# Altium PCB STM32-ROMI_Rev_A_Reworks.PcbDoc (part 2 of 2) (continued)
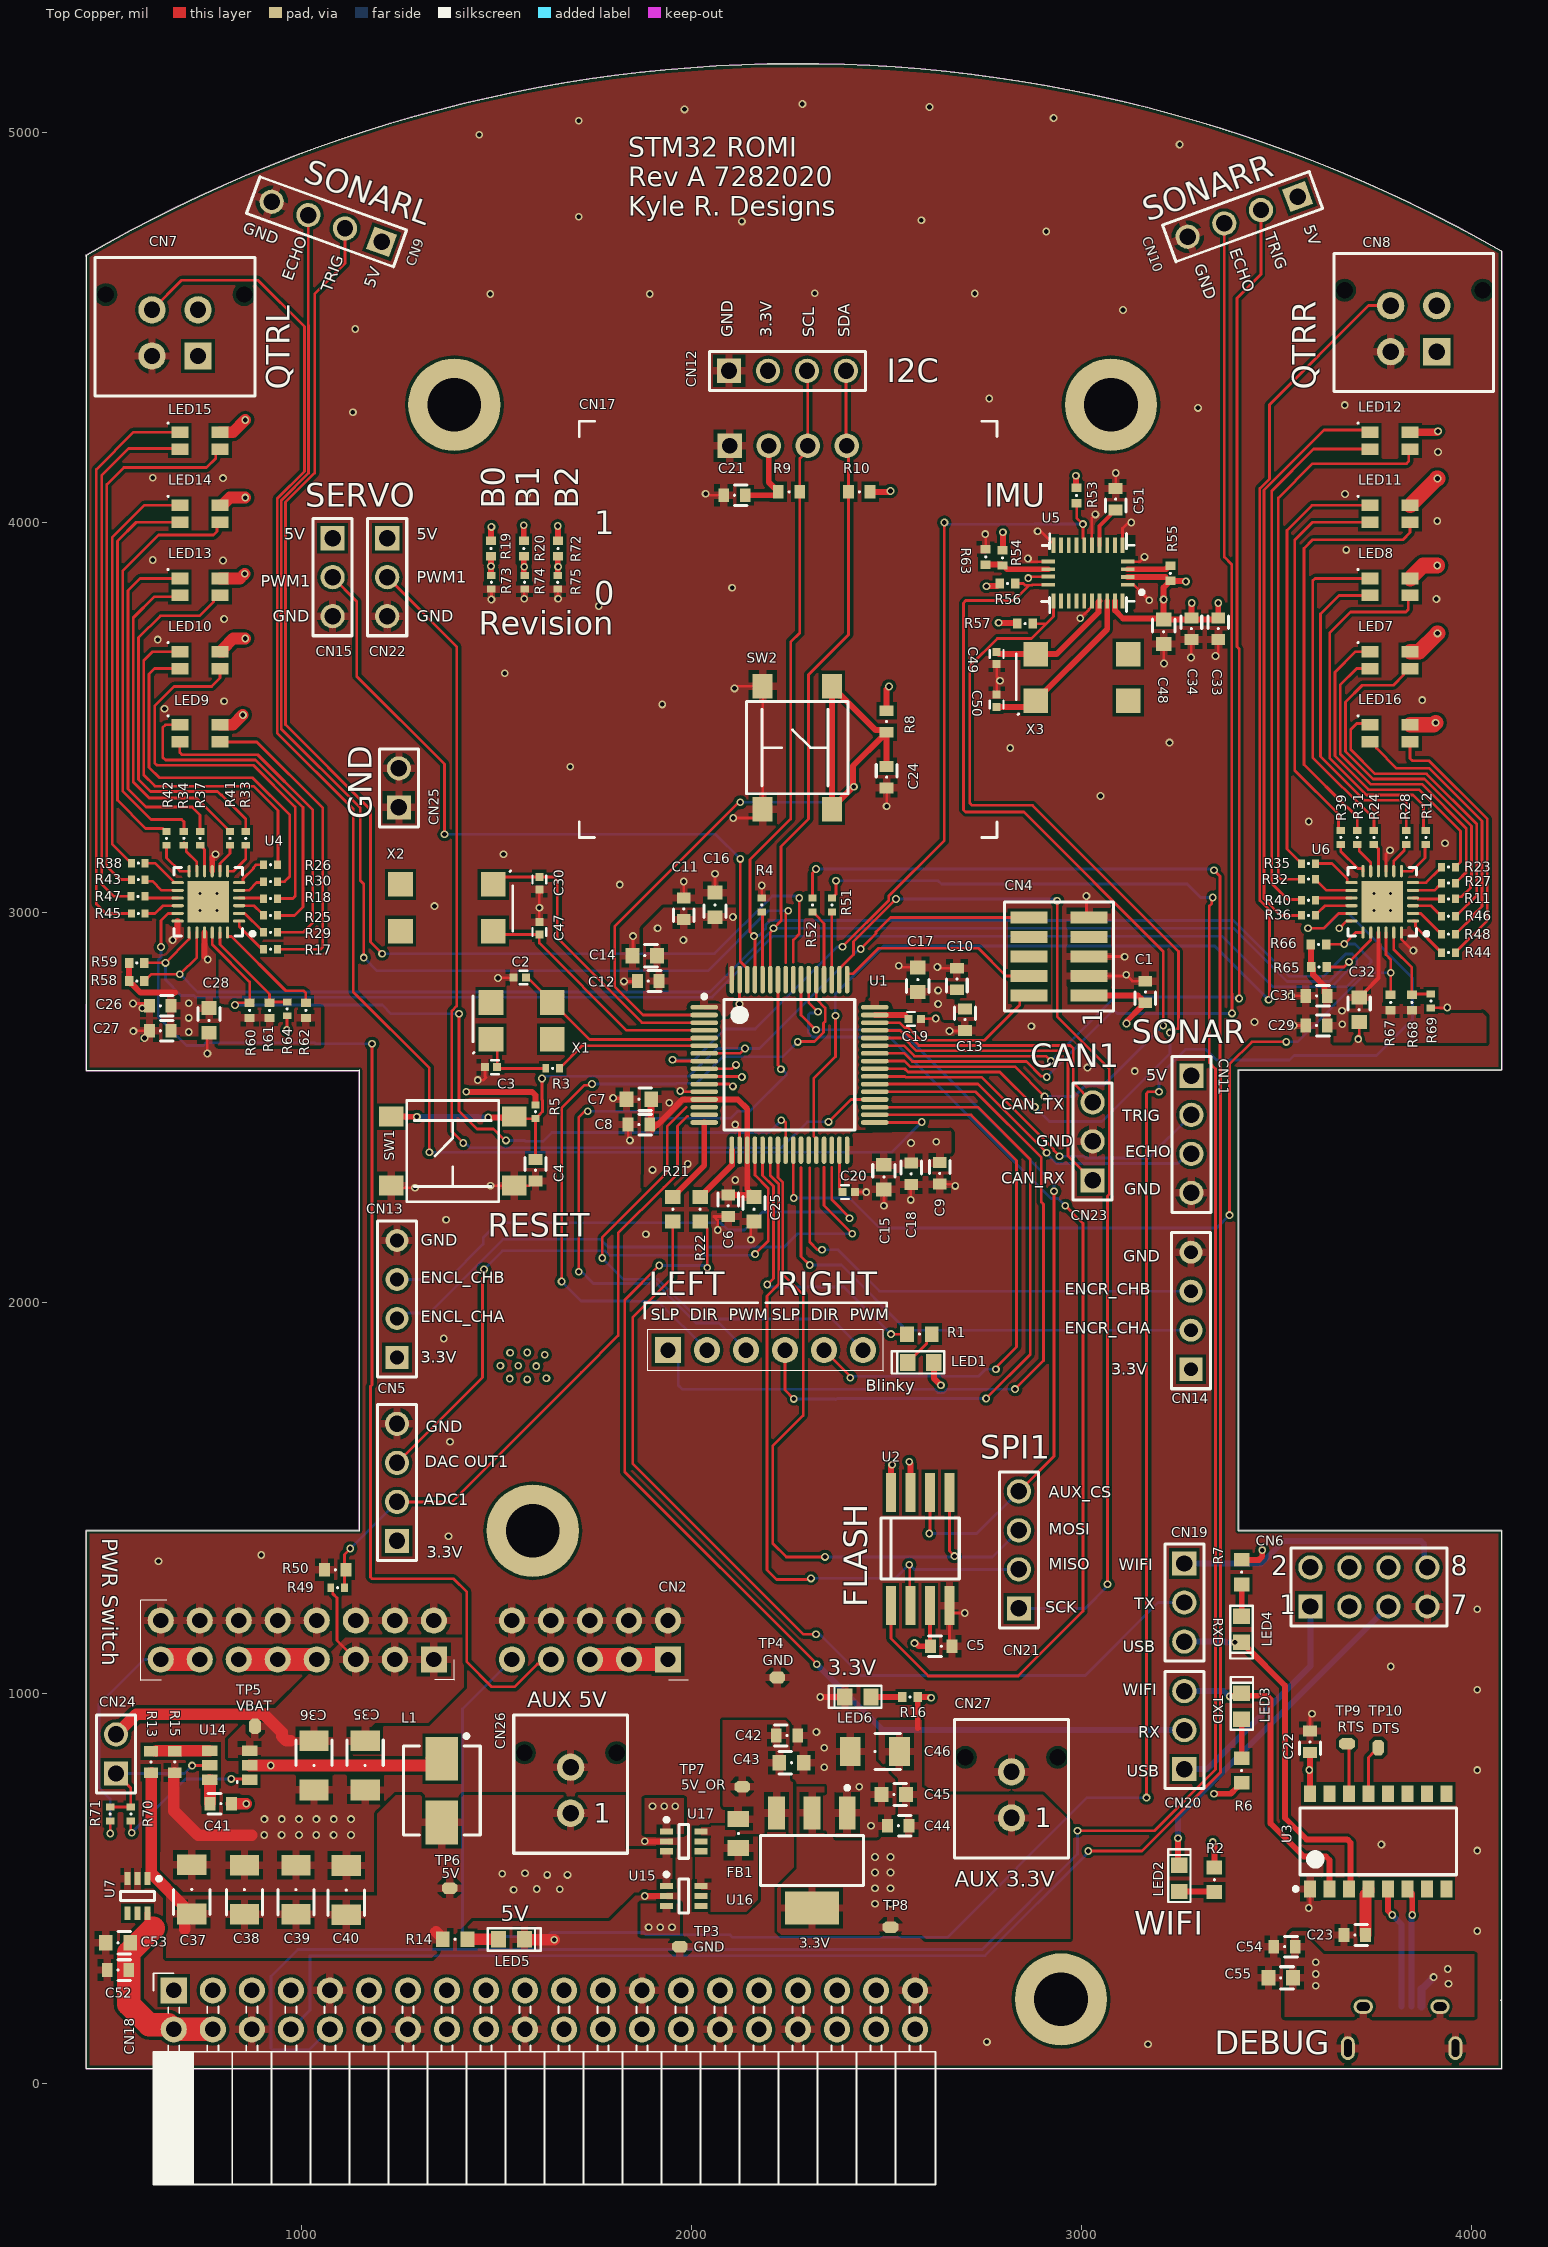
[diagram p0: Top Copper view]
## Nets (pads, with @x,y where several pads share a name; then routed paths per layer and width w, separated by ;. In a path a pad name is that pad's centre, name@x,y a point inside that pad or via, vN(x,y) a via of type N, cw(c..) or ccw(c..) an arc to the next point about the centre after c; other vN are vias at no path point) (continued)
NetLED10_4: LED10.4 R18.2 | length 1050.8
  Top Copper w7: LED10.4@791.57,3625.85 791.57,3601.57 770,3580 674,3580 624,3530 624,3383.86 629.86,3378 877,3378 984,3271 984,3042.26 978.14,3036.4 R18.2@938.72,3036.4
NetLED11_1: LED11.1 R35.2 | length 1109.7
  Top Copper w7: R35.2@3563.57,3126 3563.57,3127.97 3559.71,3131.83 3557.74,3131.83 3526,3163.57 3526,3980 3590.15,4044.15 LED11.1@3738.43,4044.15
NetLED11_3: LED11.3 R39.2 | length 1005.7
  Top Copper w7: R39.2@3664,3210.72 3662.03,3210.72 3658.17,3214.57 3658.17,3252.83 3546,3365 3546,3955 3591.85,4000.85 LED11.3@3738.43,4000.85
NetLED11_4: LED11.4 R31.2 | length 1095.8
  Top Copper w7: R31.2@3706.25,3210.72 3706.25,3245.75 3683,3269 3680.63,3269 3570,3379.63 3570,3934 3592,3956 3823,3956 3841.57,3974.57 LED11.4@3841.57,4000.85
NetLED12_1: LED12.1 R36.2 | length 1498.8
  Top Copper w7: R36.2@3563.57,2993 3510,2993 3467,3036 3467,4083 3621,4237 3733.08,4237 LED12.1@3738.43,4231.65
NetLED12_3: LED12.3 R40.2 | length 1396.3
  Top Copper w7: R40.2@3563.57,3032 3561.57,3034 3528,3034 3487,3075 3487,4081 3594.35,4188.35 LED12.3@3738.43,4188.35
NetLED12_4: LED12.4 R32.2 | length 1439
  Top Copper w7: R32.2@3563.57,3086 3509.86,3086 3504,3091.86 3504,4063 3592,4151 3832.14,4151 3838,4156.86 3838,4184.77 LED12.4@3841.57,4188.35
NetLED13_1: LED13.1 R37.2 | length 908.5
  Top Copper w7: LED13.1@688.43,3856.65 586.65,3856.65 555.5,3825.5 555.5,3317.59 602.09,3271 720,3271 740.36,3250.64 R37.2@740.36,3208.5
NetLED13_3: LED13.3 R41.2 | length 865.7
  Top Copper w7: LED13.3@688.43,3813.35 685.08,3810 623,3810 569,3756 569,3335 610,3294 731.5,3294 811.17,3214.32 811.17,3212.35 815.03,3208.5 R41.2@817,3208.5
NetLED13_4: LED13.4 R33.2 | length 969.9
  Top Copper w7: LED13.4@791.57,3813.35 784.68,3813.35 774.92,3803.58 774.92,3796.69 739.23,3761 638.5,3761 582.5,3705 582.5,3341.5 613,3311 784.5,3311 794,3301.5 795.79,3301.5 857.39,3239.9 R33.2@857.39,3208.5
NetLED14_1: LED14.1 R38.2 | length 1064
  Top Copper w7: R38.2@564.28,3127 564.28,3128.97 560.43,3132.83 558.46,3132.83 515,3176.28 515,3962 597.15,4044.15 LED14.1@688.43,4044.15
NetLED14_3: LED14.3 R42.2 | length 1002.9
  Top Copper w7: R42.2@654.36,3208.5 652.39,3208.5 644.88,3216 601,3216 528.5,3288.5 528.5,3952.5 576.85,4000.85 LED14.3@688.43,4000.85
NetLED14_4: LED14.4 R34.2 | length 1089.1
  Top Copper w7: R34.2@699,3208.5 699,3233.14 693.14,3239 615,3239 542,3312 542,3876 634,3968 775,3968 783.94,3976.94 783.94,3993.21 LED14.4@791.57,4000.85
NetLED15_1: LED15.1 R45.2 | length 1468
  Top Copper w7: R45.2@564.28,2998 509,2998 508.14,2997.14 499.86,2997.14 474.5,3022.5 474.5,4136.5 569.65,4231.65 LED15.1@688.43,4231.65
NetLED15_3: LED15.3 R47.2 | length 1365.5
  Top Copper w7: R47.2@563.57,3042 520,3042 488,3074 488,4121 557,4190 686.77,4190 LED15.3@688.43,4188.35
NetLED15_4: LED15.4 R43.2 | length 1391.6
  Top Copper w7: R43.2@564.28,3085 537.71,3085 533.71,3089 531,3089 501.5,3118.5 501.5,4097.5 545,4141 757,4141 780.44,4164.44 780.44,4178.58 790.2,4188.35 LED15.4@791.57,4188.35
NetLED16_1: LED16.1 R46.2 | length 770.9
  Top Copper w7: LED16.1@3738.43,3481.65 3735.08,3485 3705,3485 3689.5,3469.5 3689.5,3418.59 3752.09,3356 3884.09,3356 4012.5,3227.59 4012.5,3044.5 3964.83,2996.83 3961.57,2996.83 3957.72,2992.97 R46.2@3957.72,2991
NetLED16_3: LED16.3 R48.2 | length 695.3
  Top Copper w7: LED16.3@3738.43,3438.35 3745.31,3438.35 3755.08,3428.58 3755.08,3421.69 3806.77,3370 3891,3370 4026,3235 4026,3016 4003.5,2993.5 4003.5,2990.78 3963.54,2950.83 3961.57,2950.83 3957.72,2946.97 R48.2@3957.72,2945
NetLED16_4: LED16.4 R44.2 | length 682.6
  Top Copper w7: LED16.4@3841.57,3438.35 3841.57,3395.36 3847.43,3389.5 3890.59,3389.5 4039.5,3240.59 4039.5,2979.78 3963.54,2903.83 3961.57,2903.83 3957.72,2899.97 R44.2@3957.72,2898
NetR3_2: R3.2 U1.6 | length 394.9
  Top Copper w7: R3.2@1661.72,2601 1719.93,2659.21 U1.6@2032.5,2659.21
NetR4_2: R4.2 U1.60 | length 174.7
  Top Copper w7: R4.2@2180,3002.28 2182.1,3000.18 U1.60@2182.1,2828.5
NetR13_2: R13.2 R15.2 U14.4 | length 138.6
  Top Copper w30: R13.2@627.5,851.04 628.72,852.26 640.73,852.26 640.95,852.48 U14.4@765.5,852.48
NetR21_1: R21.1 U1.16 | length 225.4
  Top Copper w15: R21.1@1952,2271.5 1953.97,2271.5 1964.19,2281.71 1964.19,2283.68 2032.5,2351.99 U1.16@2032.5,2462.36
NetR22_1: R22.1 U1.17 | length 154.9
  Top Copper w15: R22.1@2022,2271.5 2023.97,2271.5 2034.19,2281.71 2034.19,2283.68 2103.36,2352.86 U1.17@2103.36,2391.5
NetR54_1: R54.1 R63.2 U5.17 | length 165.8
  Top Copper w15: R63.2@2754,3892.31 2794.69,3892.31 R54.1@2797,3890 2798.97,3890 2808.77,3880.2 U5.17@2914.78,3880.2
NetR55_1: R55.1 U5.4 | length 113.4
  Top Copper w15: U5.4@3117.54,3880.2 3215.55,3880.2 3225.03,3889.69 R55.1@3227,3889.69
NetR61_1: R61.1 R64.2 U4.23 | length 278.1
  Top Copper w7: U4.23@791.18,2949.1 791.18,2918.82 918.39,2791.61 R61.1@918.39,2769.54 920.36,2771.5 R64.2@963.39,2771.5
NetR62_1: R62.1 U4.24 | length 294.6
  Top Copper w7: U4.24@810.87,2949.1 810.87,2940.12 811.93,2939.05 820.91,2939.05 959.97,2800 1005.54,2800 1011.39,2794.14 R62.1@1011.39,2769.54
NetR68_1: R68.1 R69.2 U6.23 | length 228.3
  Top Copper w7: U6.23@3799.79,2949.1 3799.79,2906.21 3846,2860 R68.1@3846,2789.75 3847.97,2791.72 R69.2@3895,2791.72
NetR70_1: R70.1 U14.1 | length 391.8
  Top Copper w7: R70.1@563,672.28 563,646.71 565,644.71 v1(565,642) ; v1(820,780) 864.98,780 U14.1@867.5,777.48
  Bottom Copper w7: v1(565,642) 703,780 v1(820,780)
OLED_BTN: C24.1 R8.1 SW2.1 SW2.2 U1.2 | length 2006.2
  Top Copper w7: U1.2@2032.5,2737.95 1876.05,2737.95 1803,2811 1803,2965 2115.5,3277.5
  Top Copper w15: SW2.2@2359.58,3265.52 SW2.2@2359.58,3267.58 ; SW2.1@2359.58,3580.48 SW2.1@2359.58,3574.57 ; v1@2413.48,3321.48 SW2.2@2359.58,3267.58 ; v1@2413.48,3323 2413.48,3375.92 2489.78,3452.22 2489.78,3456.16 2496.06,3462.44 R8.1@2500,3462.44 ; C24.1@2500,3375.12 R8.1@2500,3462.44 ; SW2.2@2359.58,3267.58 SW2.1@2359.58,3574.57 ; SW2.1@2359.58,3574.57 2377.67,3556.48 2383.58,3556.48 2472.15,3467.91 2494.53,3467.91 R8.1@2500,3462.44
  Bottom Copper w7: v1(2125,3283) 2376,3283 v1(2416,3323)
QTRL_OUT: CN7.4 U1.33 | length 4193.4
  Top Copper w7: CN7.4@617,4545.11 692.89,4621 889,4621 1008,4502 1008,4131 938,4061 938,3461 1133,3266 1133,2797 1328,2602 v1(1328,2386) ; U1.33@2469.5,2462.36 2588.81,2462.36 v1(2590,2463.55)
  Bottom Copper w7: v1(1328,2386) 2512.45,2386 v1(2590,2463.55)
QTRR_OUT: CN8.4 U1.28 | length 3607.8
  Top Copper w7: U1.28@2319.9,2391.5 2319.9,2420.63 2313,2427.53 2313,2575 2369,2631 v1(2369,2736) ; v1(3479,2777) 3481,2779 3481,3007.15 3456.5,3031.65 3456.5,4087.35 3481,4111.85 3481,4302 3735.11,4556.11 CN8.4@3791.89,4556.11
  Bottom Copper w7: v1(2369,2736) 2368,2737 2368,2791 2492,2915 3341,2915 v1(3479,2777)
REV_B0: R19.1 R73.2 U1.9 | length 2054.9
  Top Copper w7: U1.9@2032.5,2600.16 2103.14,2600.16 2112.98,2610 v1(2114,2610)
  Top Copper w15: R19.1@1486,3913.63 v1(1486,3888) 1486,3865.72 R73.2@1487,3864.72
  Power1 w7: v1(1486,3888) 1486,3961.84 1505.5,3981.34 1505.5,3991.5 1549,4035 1699,4035 2039,3695 2039,2685 v1(2114,2610)
REV_B1: R20.1 R74.2 U1.10 | length 2003.2
  Top Copper w7: U1.10@2032.5,2580.47 2127.53,2580.47 v1(2129,2579)
  Top Copper w15: R20.1@1570,3913.63 1570,3866.07 1571.36,3864.72 R74.2@1572,3864.72
  Power1 w7: v1(1571,3887) 1571,3955 1630,4014 1705.15,4014 2018.08,3701.08 2018.08,2657.77 2096.85,2579 v1(2129,2579)
REV_B2: R72.1 R75.2 U1.11 | length 1656.4
  Top Copper w7: U1.11@2032.5,2560.79 2097.51,2560.79 2103.29,2555 v1(2106,2555)
  Top Copper w15: R75.2@1657,3864.72 1657,3912.63 R72.1@1658,3913.63
  Power1 w7: v1(1658,3887) 1743.5,3801.5 1743.5,3778.34 1836.67,3685.17 1859.83,3685.17 1953,3592 1953,2708 v1(2106,2555)
RGB_INT1: R60.1 U1.24 U4.22 | length 2051.1
  Top Copper w7: U4.22@771.5,2949.1 771.5,2918.5 867.39,2822.61 R60.1@867.39,2769.54 835.86,2769.54 830,2763.68 v1(830,2763.5) ; v1(1404,2741) 1404,2492 1450,2446 1492.34,2446 1521.84,2416.5 v1(1524.34,2416.5) ; v1@2235.9,2468.1 2241.16,2462.84 U1.24@2241.16,2391.5
  Bottom Copper w7: v1(830,2763.5) 1207.5,2763.5 1230,2741 v1(1404,2741) ; v1(1524.34,2416.5) 1572.18,2416.5 1574.68,2414 1619,2414 1642,2437 2199,2437 v1(2230,2468)
RGB_INT2: R67.1 U1.25 U6.22 | length 2346.9
  Top Copper w7: U1.25@2260.84,2391.5 2260.84,2270.18 v1(2262.03,2269) ; v1(3379,2225) 3379,2612 3436,2669 v1(3524,2669) ; U6.22@3780.1,2949.1 3780.1,2892.48 3792,2880.59 v1(3792,2846.29) R67.1@3792,2789.75
  Bottom Copper w7: v1(2262.03,2269) 2405,2269 2482,2192 3346,2192 v1(3379,2225) ; v1(3524,2669) 3553,2669 3730.29,2846.29 v1(3792,2846.29)
ROMI_3V3: CN2.1 CN2.3 CN2.5 | length 200
  Top Copper w60: CN2.5@1739.5,1086.1 CN2.3@1839.5,1086.1 CN2.1@1939.5,1086.1
ROMI_DIRL: CN1.2 U1.53 | length 1808.1
  Top Copper w7: v1(1667,2055) 1667,2499 1726,2558 1734.93,2558 1736.02,2559.09 1743.09,2559.09 v1(1745,2561) ; CN1.2@2025,1893.5 CN1.2@2039.5,1879 ; v1(2272,2669) 2272.94,2669.94 2315.11,2669.94 2338.4,2693.24 2338.4,2716.9 2342.5,2721 2342.5,2756.24 2319.9,2778.85 U1.53@2319.9,2828.5
  Bottom Copper w7: v1(1667,2055) 1716.91,2005.09 1847.91,2005.09 1849,2004 1914.5,2004 CN1.2@2039.5,1879 ; v1(1745,2561) 1960.62,2561 1962.93,2563.31 2013.31,2563.31 2081,2631 2234,2631 v1(2272,2669)
ROMI_DIRR: CN1.5 U1.34 | length 1469.5
  Top Copper w7: CN1.5@2325,1893.5 CN1.5@2339.5,1879 v1@2408.75,1809.75 ; U1.34@2469.5,2482.05 2715.95,2482.05 2833,2365 2833,1887 2780,1834 v1(2780,1830)
  Bottom Copper w7: v1(2407,1808) 2408.91,1809.91 2415.77,1809.91 2417.86,1812 2735,1812 2753,1830 v1(2780,1830)
ROMI_PG: CN2.7 U4.17 | length 2964
  Top Copper w7: v1(640,2912) 640,2980 658.32,2998.32 U4.17@682.91,2998.32 ; v1(1181,2664) 1181,1790.1 1177,1786.1 1177,1297.1 1181.1,1293 1390,1293 1424,1259 1424,1080 1488,1016 1546,1016 1604.63,1074.63 1628.03,1074.63 CN2.7@1639.5,1086.1
  Bottom Copper w7: v1(640,2912) 640,2885.98 633.19,2879.17 633.19,2732.81 706,2660 748.73,2660 755.73,2667 1033,2667 1036,2664 v1(1181,2664)
ROMI_PWML: CN1.3 U1.58 | length 1774.4
  Top Copper w7: v1(1711,2080) 1711,2476 1726,2491 v1(1734,2491) ; CN1.3@2125,1893.5 CN1.3@2139.5,1879 ; U1.58@2221.47,2828.5 2221.47,2609.23 2229,2601.71 v1(2229,2599)
  Bottom Copper w7: v1(1711,2080) 1718,2080 1748,2050 1910.15,2050 2011.65,1948.5 2070,1948.5 CN1.3@2139.5,1879 ; v1(1734,2491) 1871.72,2491 1889.72,2473 2099.72,2473 2117.72,2491 2149,2491 2242.86,2584.86 2242.86,2588.14 2237,2594 2236.71,2594 2231.71,2599 v1(2229,2599)
ROMI_PWMR: CN1.6 U1.29 | length 1262.9
  Top Copper w7: v1(1771,2115) 1771,2168 1938,2335 1938,2453 1986.73,2501.73 ; CN1.6@2425,1893.5 CN1.6@2439.5,1879
  Bottom Copper w7: v1(1771,2115) 1825.5,2060.5 1914.5,2060.5 2016,1959 2359.5,1959 CN1.6@2439.5,1879
ROMI_S\L\P\L\: CN1.1 U1.37 | length 2118.4
  Top Copper w7: CN1.1@1925,1893.5 CN1.1@1939.5,1879 ; U1.37@2469.5,2541.1 2727.73,2541.1 2896.5,2372.34 2896.5,2258.41 2902,2252.91 2902,1852 v1(2829,1779)
  Bottom Copper w7: CN1.1@1939.5,1879 1966,1852.5 1966,1789 1976,1779 2622.84,1779 2631.34,1770.5 2646.66,1770.5 2655.16,1779 v1(2829,1779)
ROMI_S\L\P\R\: CN1.4 U1.35 | length 1763.6
  Top Copper w7: CN1.4@2225,1893.5 CN1.4@2239.5,1879 2239.5,1776.5 v1(2262,1754) ; U1.35@2469.5,2501.73 2734.27,2501.73 2868,2368 2868,1868 v1(2755,1755)
  Bottom Copper w7: v1(2262,1754) 2367.71,1754 2369.71,1752 2372.71,1755 v1(2755,1755)
ROMI_SHDN: CN2.9 U6.17 | length 5869.7
  Top Copper w7: v1(3166,732) 3166,2536.9 3170.1,2541 v1(3198,2541) ; v1(3580,2960) 3620,2960 3658.31,2998.32 U6.17@3691.52,2998.32
  Bottom Copper w7: CN2.9@1539.5,1086.1 1413,959.6 1413,380.1 1417.1,376 1629.84,376 1640.34,386.5 1877.34,386.5 1883.59,380.25 2098.75,380.25 2105,374 2656,374 3014,732 v1(3166,732) ; v1(3198,2541) 3198,2582 3266,2650 3318,2650 3345.5,2622.5 3532.66,2622.5 3544.16,2634 3755,2634 3848,2727 3848,2833 3682,2999 3660,2999 3621,2960 v1(3580,2960)
RPI_5V: C52.1 C53.1 CN18.2 CN18.4 U7.6 | length 494.2
  Top Copper w15: 605.59,404.09 U7.6@605.59,435.71
  Top Copper w60: 620,397 557.56,334.56 C52.1@557.56,290 557.56,202.44 610,150 659.12,150 671.12,138 CN18.2@673,138 CN18.4@773,138
RST: C4.1 CN4.10 R5.1 SW1.1 SW1.2 U1.7 | length 2151.2
  Top Copper w7: SW1.2@1521.48,2477.58 1526.78,2472.28 R5.1@1600,2472.28 ; C4.1@1600,2367.56 R5.1@1600,2472.28 ; v1(1616.73,2575.19) 1616.73,2520.57 1617.83,2519.47 1617.83,2490.11 1607.33,2479.61 1607.33,2477.64 1601.97,2472.28 R5.1@1600,2472.28 ; U1.7@2032.5,2639.53 2124.53,2639.53 v1(2137,2652) ; v1(2433.5,2907) 2472.99,2946.49 2472.99,2950.99 2510,2988 CN4.10@2865.23,2988
  Top Copper w15: SW1.1@1206.52,2477.58 1267.06,2477.58 1269.65,2475 1271.65,2477 v1(1296,2477) ; v1(1479,2475) 1514.9,2475 1516.9,2473 SW1.2@1521.48,2477.58
  Bottom Copper w7: v1(1616.73,2575.19) 1620.25,2575.19 1626.06,2581 1994,2581 2065,2652 v1(2137,2652) 2174,2652 2429,2907 v1(2433.5,2907)
  Bottom Copper w15: v1(1296,2477) 1452.65,2477 1456.65,2473 1458.65,2475 v1(1479,2475)
RTS: TP9.1 U3.14 | length 130
  Top Copper w7: TP9.1@3680,870 3685,865 U3.14@3685,742.05
RXD: CN19.3 LED4.2 U3.3 | length 959.3
  Top Copper w15: v1(3393,1130) 3411.97,1130 3424.15,1117.81 3424.15,1115.85 3521,1019 3521,680 3576,625 3680.21,625 3689,616.21 3689,501.95 U3.3@3685,497.95
  Bottom Copper w15: CN19.3@3263,1132 3367.65,1132 3369.65,1130 v1(3393,1130)
RXO: CN6.8 CN19.1 | length 705.2
  Bottom Copper w15: CN19.1@3263,1332 3460,1332 3518,1390 3869.21,1390 3878,1381.21 3878,1330 CN6.8@3886,1322
SERVO1_PWM: CN22.2 U1.36 | length 2651.7
  Top Copper w7: CN22.2@1220,3860 1398,3682 1398,2761.16 1385.5,2748.66 1385.5,2439.5 v1(1415,2410) ; v1(2351,2464) 2408.42,2521.42 U1.36@2469.5,2521.42
  Bottom Copper w7: v1(1415,2410) 1420,2410 1432,2398 2231,2398 2297,2464 v1(2351,2464)
SERVO2_PWM: CN15.2 U1.62 | length 1878.9
  Top Copper w7: CN15.2@1080,3860 1142,3798 1142,3606 1367,3381 v1(1367,3201) ; v1(2125,3138) 2125,2874.33 2138.89,2860.44 2139.03,2860.44 2142.73,2856.73 U1.62@2142.73,2828.5
  Bottom Copper w7: v1(1367,3201) 2062,3201 v1(2125,3138)
SPI1_MISO: CN21.2 U1.22 U2.2 | length 1880.7
  Top Copper w7: U1.22@2201.79,2391.5 2201.79,2326.21 2223.5,2304.5 2223.5,2048.22 2193.16,2017.88 2193.16,1315.84 2218,1291 2295.93,1291 2297.02,1292.09 2304.09,1292.09 v1(2306,1294) ; v1(2558,1329) 2559.5,1327.5 2559.5,1225.5 U2.2@2561,1224
  Bottom Copper w7: v1(2306,1294) 2522,1294 2557,1329 v1(2558,1329) ; v1@2558,1330 2571,1317 CN21.2@2839,1317
SPI1_MOSI: CN21.3 U1.23 U2.5 | length 1908.6
  Top Copper w7: U1.23@2221.47,2391.5 2221.47,2321.38 2234,2308.85 2234,2073 2286,2021 2286,1711 2208,1633 2208,1384 2243,1349 v1(2342,1349) ; U2.5@2661,1514 2661,1364 v1(2674,1351)
  Bottom Copper w7: v1(2342,1349) 2674,1349 2771,1349 CN21.3@2839,1417
SPI1_SCK: CN21.4 U1.55 U2.6 | length 2124.5
  Top Copper w7: U1.55@2280.53,2828.5 2280.53,2737.47 2318,2700 v1(2319,2700) ; v1(2609,1409) 2611,1411 U2.6@2611,1514 ; CN21.4@2839,1517 2929,1607 v1(2929,2286)
  Bottom Copper w7: v1(2319,2700) 2534,2700 2929,2305 v1(2929,2286) ; v1(2609,1409) 2731,1409 CN21.4@2839,1517
SPI_CS_AUX: CN21.1 U1.50 | length 2746
  Top Copper w7: U1.50@2378.95,2828.5 2378.95,2856.73 2382.66,2860.44 2382.79,2860.44 2415,2892.64 2415,2926.15 v1(2523.85,3035) ; v1(2937,3030.9) 2937,2734 3070.37,2600.63 3070.37,2278.29 3066,2273.91 v1(3066,1278.88)
  Bottom Copper w7: v1(2523.85,3035) 2929.38,3035 2933.48,3030.9 v1(2937,3030.9) ; CN21.1@2839,1217 3009,1217 3066,1274 v1(3066,1278.88)
SPI_CS_FLASH: U1.54 U2.1 | length 2750
  Top Copper w7: U1.54@2300.21,2828.5 2300.21,2769.79 v1(2324,2746) ; U2.1@2511,1224 2511,1140 2607,1044 2837,1044 3003,1210 3003,2204 v1(2958,2249)
  Bottom Copper w7: v1(2324,2746) 2321.51,2743.51 2313.64,2743.51 2313.4,2743.28 2304.1,2743.28 2300,2739.18 2300,2692 2310.5,2681.5 2507.34,2681.5 2921.34,2267.5 2939.5,2267.5 v1(2958,2249)
TCK/SWDCLK: CN4.4 U1.49 | length 537.7
  Top Copper w7: U1.49@2398.64,2828.5 2398.64,2842.72 2399.47,2843.55 2413.69,2843.55 2479.13,2909 2735,2909 2806,2838 CN4.4@2865.23,2838
TMS/SWDIO: CN4.2 U1.46 | length 470.4
  Top Copper w7: U1.46@2469.5,2718.27 2533.49,2718.27 2545.86,2705.9 2555.29,2705.9 2588.18,2673 2750.23,2673 2841.13,2763.9 2841.13,2778.04 2851.09,2788 CN4.2@2865.23,2788
TRIG_CTR: CN11.2 U1.39 | length 945
  Top Copper w7: U1.39@2469.5,2580.47 2547.07,2580.47 2549.04,2578.5 2742.66,2578.5 2928.5,2392.66 2928.5,2390.5 v1(2943,2376)
  Bottom Copper w7: v1(2943,2376) 3006.07,2376 3010.45,2371.63 3170.63,2371.63 CN11.2@3281,2482
TRIGL: CN9.2 U1.26 | length 3328.5
  Top Copper w7: CN9.2@1111.81,4753.86 1111.81,4663.81 1034,4586 1034,4127.3 959,4052.3 959,3482 1177,3264 1177,2925 v1(1207,2895) ; 2260.84,2873 2260.84,2930.08 2276,2945.24 v1(2276,3038)
  Bottom Copper w7: v1(1207,2895) 2059,2895 2207,3043 2267.48,3043 2272.48,3038 v1(2276,3038)
TRIGR: CN10.2 U1.43 | length 3068.6
  Top Copper w7: U1.43@2469.5,2659.21 2544.7,2659.21 2571.41,2632.5 2908.5,2632.5 v1(2921,2620) ; v1(3403.5,2780) 3403.5,3676.51 3398,3682.01 3398,4575 3459.42,4636.42 CN10.2@3459.42,4801.07
  Bottom Copper w7: v1(2921,2620) 3085,2784 3389.14,2784 3391.23,2781.91 3398.09,2781.91 3400,2780 v1(3403.5,2780)
TXD: CN20.3 LED3.2 U3.2 | length 819
  Top Copper w15: v1(3379.51,991.49) 3380.46,992.45 3402.45,992.45 LED3.2@3410,1000 3417,993 3475.21,993 3484,984.21 3484,666 3569,581 3626.21,581 3635,572.21 U3.2@3635,497.95
  Bottom Copper w15: CN20.3@3263,1005 3364.65,1005 3378.15,991.49 v1(3379.51,991.49)
TXO: CN6.1 CN20.1 | length 585.4
  Bottom Copper w15: CN20.1@3263,805 3322,805 3586,1069 CN6.1@3586,1222
UART2_RX: CN20.2 R22.2 | length 2526.9
  Top Copper w7: v1(1917,2096) 1829,2008 1829,1566 v1(2321,1074) ; R22.2@2022,2208.5 2023.97,2208.5 2036.69,2195.79 2036.69,2193.82 2040,2190.5 v1(2040,2090)
  Bottom Copper w7: v1(1917,2096) 2034.14,2096 2040,2090.14 v1(2040,2090)
  Bottom Copper w15: v1(2321,1074) 2490,905 CN20.2@3263,905
UART2_TX: CN19.2 R21.2 | length 2379.5
  Top Copper w7: R21.2@1952,2208.5 1952,2066 1849,1963 1849,1588 2286,1151 v1(2319,1151)
  Bottom Copper w7: v1(2319,1151) 2320,1150 2329,1150 2434,1045 3009,1045 3196,1232 CN19.2@3263,1232
UART4_RX: R52.1 U1.52 | length 187.2
  Top Copper w7: R52.1@2310,3002.28 2311.97,3002.28 2317.33,2996.93 2317.33,2994.96 2339.58,2972.7 U1.52@2339.58,2828.5
UART4_TX: R51.1 U1.51 | length 174.1
  Top Copper w7: U1.51@2359.27,2828.5 2359.27,3001.55 R51.1@2360,3002.28
VBAT: C35.1 C36.1 CN3.1 CN3.3 CN3.5 CN24.2 R49.2 TP5.1 U14.3 | length 714.3
  Top Copper w7: R49.2@1075.28,1270 1080.41,1264.87 1080.41,1254.59 1091,1244 1091,1134.6 CN3.5@1139.5,1086.1
  Top Copper w30: CN24.2@525,894 577,946 903.98,946 950.1,899.89 950.1,889.06 961.67,877.48 972.5,877.48
VRP: CN3.7 CN3.9 CN3.11 | length 200
  Top Copper w60: CN3.11@839.5,1086.1 CN3.9@939.5,1086.1 CN3.7@1039.5,1086.1
VSW: CN3.13 CN3.15 R71.1 | length 781.4
  Top Copper w7: v1(510,640) R71.1@510,672.28
  Top Copper w60: CN3.15@639.5,1086.1 CN3.13@739.5,1086.1
  Bottom Copper w7: v1(510,640) 510,728.79 481.13,757.67 481.13,971.13 596.1,1086.1 CN3.15@639.5,1086.1
  Bottom Copper w60: CN3.15@639.5,1086.1 CN3.13@739.5,1086.1
pads on no net: CN4.6 CN4.7 CN4.8 CN6.3 CN6.4 CN7.0 CN8.0 CN16.4 CN18.1 CN18.3 CN18.5 CN18.7 CN18.11 CN18.12 CN18.13 CN18.15 CN18.16 CN18.17 CN18.18 CN18.19 CN18.21 CN18.22 CN18.23 CN18.24 CN18.26 CN18.27 CN18.28 CN18.29 CN18.31 CN18.32 CN18.33 CN18.35 CN18.36 CN18.37 CN18.38 CN18.40 CN26.0 CN27.0 U3.7 U3.8 U3.9 U3.10 U3.11 U3.12 U3.15 U5.1 U5.7 U5.8 U5.12 U5.13 U5.14 U5.21 U5.22 U5.23 U5.24 U7.4 U7.5 U15.4 U15.5 U17.4 U17.5 X1.2 X1.4 X2.2 X2.3 X3.2 X3.3

## Polygon pours and split planes (outlines as drawn)
GND on Top Copper "GND_L01_P026" (solid, pour order 26): 382,5 4094,5 4168,79 4168,5238 360,5238 349,5249
3.3V on Top Copper "3.3V_L01_P025" (solid, remove dead copper, pour order 25): 1879,2362 1879,2543.31 2041.69,2543.31 2194,2391 2194,2245 1886,2245 1877,2254
VBAT on Top Copper "VBAT_L01_P002" (solid, pour order 2): 1170,905 1189,924 1325,924 1416,1015 1416,1142 1113,1142 932.5,961.5 893,961.5 812.57,881.08 812.57,834.56 1156.05,834.56 1170,848.5
3.3V on Top Copper "Top Copper-3.3V 1" (solid, pour order 9): 3796,2668 3797,2667 4037,2667 4037,2734 4027,2744 4025,2742 3834,2742 3802,2773 3802,2936 3713,2936 3646.5,2869.5 3646.5,2786.5 3646,2786 3646,2668
3.3V on Top Copper "Top Copper-3.3V" (solid, remove dead copper, pour order 11): 3765,2692 3766,2691 3915,2691 3915,2766 3803,2766 3783,2785.38 3783,2979 3701,2979 3615.5,2893.5 3615.5,2810.5 3615,2810 3615,2692
3.3V on Top Copper "3.3V_L01_P023" (solid, pour order 23): 2087.56,3014.09 2088.65,3013 2123,3013 2123,2766 2091.41,2734.41 1875.91,2734.41 1875.91,2959.91 1929,3013
3.3V on Top Copper "Top Copper-3.3V" (solid, remove dead copper, pour order 20): 762,2683 785,2660 1050,2660 1050,2757 800,2757 780,2776.38 780,2970 698,2970 640,2912 640,2683
3.3V on Top Copper "3.3V_L01_P024" (solid, pour order 24): 2404.85,2730.11 2458,2783.26 2458,2820 2706,2820 2738,2788 2738,2724.17
3.3V on Top Copper "3.3V_L01_P000" (solid, pour order 0): 2393.26,2434 2393.26,2347.74 2410,2331 2413,2334 2666,2334 2666,2440.69
3.3V on Top Copper "3.3V_L01_P013" (solid, pour order 13): 2590,380 2600,370 2970,370 2970,670 2900,740 2620,740 2590,760 2590,810 2590,930 2480,930 2480,830 2530,780 2530,630 2340,630 2340,760 2270,760 2270,550 2220,500 2220,390 2230,380
NetFB1_1 on Top Copper "NETFB1_1_L01_P019" (solid, pour order 19): 2010,660 2010,440 2140,440 2170,470 2170,660
5V_USB on Top Copper "5V_USB_L01_P018" (solid, pour order 18): 1980,730 1980,640 1880,640 1880,730
5V_USB on Top Copper "5V_USB_L01_P017" (solid, pour order 17): 1970,460 1970,380 1870,380 1870,460
5V_USB on Top Copper "5V_USB_L01_P016" (solid, pour order 16): 4006,170 3520,170 3520,370 3540,390 3580,390 3580,370 3620,330 4006,330
NetC42_1 on Top Copper "NETC42_1_L01_P014" (solid, pour order 14): 2240,930 2080,930 2080,680 2120,640 2260,640 2260,910
GND on Top Copper "GND_L01_P012" (solid, pour order 12): 2260,930 2260,920 2260,780 2360,780 2370,770 2370,630 2530,630 2520,640 2520,780 2500,780 2460,820 2460,930
GND on Top Copper "GND_L01_P001" (solid, remove dead copper, pour order 1): 839.71,654.24 835.47,650 694,650 694,648 635,589 635,509 838.43,509 1166.5,509 1166.5,799.48 840.98,799.48
5V on Top Copper "5V_L01_P006" (solid, pour order 6): 1437,424 1786,424 1853,490 1950,490 1950,600 1830,600 1830,738 1460,738 1242,738 1195,691 1195,481 654,481 654,321.61 1334.61,321.61
GND on Bottom Copper "GND_L04_P027" (solid, pour order 27): 385,7 4097,7 4171,81 4171,5240 363,5240 352,5251
5V_USB on Bottom Copper "5V_USB_L04_P022" (solid, pour order 22): 3861,315 3865,311 4018,311 4018,155 3995,132 3993,134 3860,134
5V on Bottom Copper "5V_L04_P004" (solid, pour order 4): 1480,414 1945,414 2266,735 2266,1747 1966,1747 1790,1923 1478,1923 1478,1667 1859,1286 2030,1286 2030,1006 1934,910 1478,910
3.3V on Power1 "3.3V_L03_P021" (solid, pour order 21): 385,7 4097,7 4171,81 4171,5240 363,5240 352,5251
5V on Power1 "5V_L03_P003" (solid, pour order 3): 1800,3277 1800,1669 1570,1669 1476,1763 1476,3043 1094,3425 800,3425 800,4276 1017.09,4615.09 1213,4811 1371,4811 1371,3706
GND on GND1 "GND_L02_P005" (solid, pour order 5): 388,11 4100,11 4174,85 4174,5244 366,5244 355,5255

## Keep-outs
Keep-Out Layer:
  lines w2: 4325,1417.01 cw(c4325,1415) 4327.01,1415 ; 447.99,2765 ccw(c450,2765) 447.99,2764.98 ; 447.99,2765.01 ccw(c449,2765) 447.99,2765 ; 447.99,2764.98 447.99,2596.04 ccw(c449,2596) 449,2594.99 1147.99,2594.99 1147.99,1417.01 449,1417.01 ccw(c449,1416) 447.99,1416 447.99,38.05 ccw(c449,38.05) 449,37.03 4076,37.03 ccw(c4076,38.05) 4077.01,38.05 4077.01,1414 4077.01,1416 ccw(c4076,1416) 4076,1417.01 3402.01,1417.01 3402.01,2596.09 4075,2596.09 ccw(c4075,2597.1) 4076.02,2597.1 4076.02,4694.79 ccw(c4075.04,4695.07) 4076.06,4695.07 ccw(c4075.04,4695.07) 4075.55,4695.95 ccw(c2271.16,1547.31) 447.49,4684.82 ccw(c448,4683.95) 447.99,4682.93 447.99,2765.01

## Other copper
Top Copper:
  pour cut-out: 2912.65,3971.42 2915.07,3969 3138,3969 3138,3780 3129.42,3771.42 2914.78,3771.42

## Silkscreen, mask and mechanical layers (free items; w line width, h text height)
Top Overlay:
  lines w2: 251.4,215 ccw(c252.4,215) 252.4,214 ; 251.4,1415 cw(c252.4,1415) 252.4,1416 ; 448,4683.95 cw(c2271.16,1547.31) 4075.04,4695.07 ; 449,2765 ccw(c450,2765) 450,2764 ; 449,4684.41 449,2596 1148,2596 ; 641,1034 589,1034 588,1033 588,1238 589,1239 655,1239 ; 1149,2597.1 1149,1416 449,1416 449,38.05 4076,38.05 4076,1416 ; 1342,1035 1391,1035 1392,1034 1392,1085 ; 1942,1034 1992,1034 ; 4073.98,212.99 4076,215 ; 4075,4695 4075,2597.1 3401,2597.1 3401,1416 3650,1416 4076,1416 ; 4076,1414 4076,1416 ; 4325,1416 cw(c4325,1415) 4326,1415 ; 1887,1827 1888,1828 1888,1933 2491,1933 2491,1826 2490,1827 1887,1827
  lines w6: 1880,1960 1880,2000 2170,2000 ; 2190,2000 2500,2000 2500,1960
  text "SONARL" at 1002.82,4875.98 h60 r340
  text "STM32 ROMI / Rev A 7282020 / Kyle R. Designs" at 1837.79,4787 h50
  text "SONARR" at 3168.98,4770.82 h60 r20
  text "5V" at 3567.69,4756.41 h30 r290
  text "GND" at 847.69,4743.59 h30 r340
  text "TRIG" at 3467.69,4736.41 h30 r290
  text "ECHO" at 3377.69,4696.41 h30 r290
  text "GND" at 3287.69,4656.41 h30 r290
  text "ECHO" at 976.41,4617.69 h30 r70
  text "5V" at 1186.41,4597.69 h30 r70
  text "TRIG" at 1076.41,4587.69 h30 r70
  text "GND" at 2105,4475 h30 r90
  text "3.3V" at 2205,4475 h30 r90
  text "SCL" at 2315,4475 h30 r90
  text "SDA" at 2405,4475 h30 r90
  text "I2C" at 2500,4360 h60
  text "QTRL" at 970,4340 h60 r90
  text "QTRR" at 3600,4340 h60 r90
  text "SERVO" at 1010,4040 h60
  text "IMU" at 2751,4040 h60
  text "B1" at 1610,4036 h60 r90
  text "B2" at 1710,4036 h60 r90
  text "B0" at 1521,4035 h60 r90
  text "5V" at 955.98,3956 h30
  text "5V" at 1296,3956 h30
  text "PWM1" at 1296,3846 h30
  text "PWM1" at 896,3836 h30
  text "1 /  / 0" at 1751,3790 h60
  text "GND" at 925.99,3746 h30
  text "GND" at 1296,3746 h30
  text "Revision" at 1455,3713 h60
  text "GND" at 1180,3240 h60 r90
  text "SONAR" at 3128,2665 h60
  text "5V" at 3166,2570 h30
  text "CAN_TX" at 2794,2495 h30
  text "TRIG" at 3104,2465 h30
  text "GND" at 2883.97,2400 h30
  text "ECHO" at 3112,2373 h30
  text "CAN_RX" at 2794,2305 h30
  text "GND" at 3109,2277 h30
  text "RESET" at 1478,2169 h60
  text "GND" at 1306,2146 h30
  text "GND" at 3106,2106 h30
  text "ENCL_CHB" at 1306,2051 h30
  text "ENCR_CHB" at 2956,2021 h30
  text "LEFT" at 1890,2020 h60
  text "RIGHT" at 2220,2020 h60
  text "SLP" at 1895,1955 h30
  text "DIR" at 1995,1955 h30
  text "PWM" at 2095,1955 h30
  text "SLP" at 2205,1955 h30
  text "DIR" at 2305,1955 h30
  text "PWM" at 2405,1955 h30
  text "ENCL_CHA" at 1306,1951 h30
  text "ENCR_CHA" at 2956,1921 h30
  text "3.3V" at 1306,1846 h30
  text "3.3V" at 3076,1816 h30
  text "GND" at 1319,1668 h30
  text "SPI1" at 2740,1600 h60
  text "DAC OUT1" at 1316,1579 h30
  text "AUX_CS" at 2916,1501 h30
  text "ADC1" at 1314,1482 h30
  text "MOSI" at 2916,1406 h30
  text "3.3V" at 1321,1347 h30
  text "MISO" at 2916,1316 h30
  text "WIFI" at 3095,1315 h30
  text "FLASH" at 2450,1220 h60 r90
  text "TX" at 3135,1215 h30
  text "SCK" at 2906,1206 h30
  text "USB" at 3105,1105 h30
  text "WIFI" at 3105,995 h30
  text "RX" at 3145,885 h30
  text "USB" at 3115,785 h30
  text "DEBUG" at 3341,74 h60
Bottom Overlay:
  text "CTR_OUT" at 3825,4625 h30
  text "3.3V" at 3975,4625 h30
  text "CTR_OUT" at 665,4615 h30
  text "3.3V" at 815,4615 h30
  text "GND" at 3805,4345 h30
  text "3.3V" at 3985,4345 h30
  text "GND" at 645,4335 h30
  text "3.3V" at 785,4335 h30
Mechanical 2:
  drawing of 882 lines, arcs and shapes, not listed

## Text inside footprints (layer, text, board x,y; h text height)
CN4: Top Overlay "1" at 3052,2708 h50 r90
CN6: Top Overlay "2" at 3486,1302 h50; Top Overlay "1" at 3506,1202 h50; Top Overlay "7" at 3946,1202 h50; Top Overlay "8" at 3946,1302 h50
CN18: Mechanical 6 "J3" at 1614.25,-103.67 h39.37
CN26: Top Overlay "1" at 1749.06,668.27 h50
CN27: Top Overlay "1" at 2879.06,656.38 h50